# Altium PCB 2-quilter-output.PcbDoc (part 25 of 26) (continued)
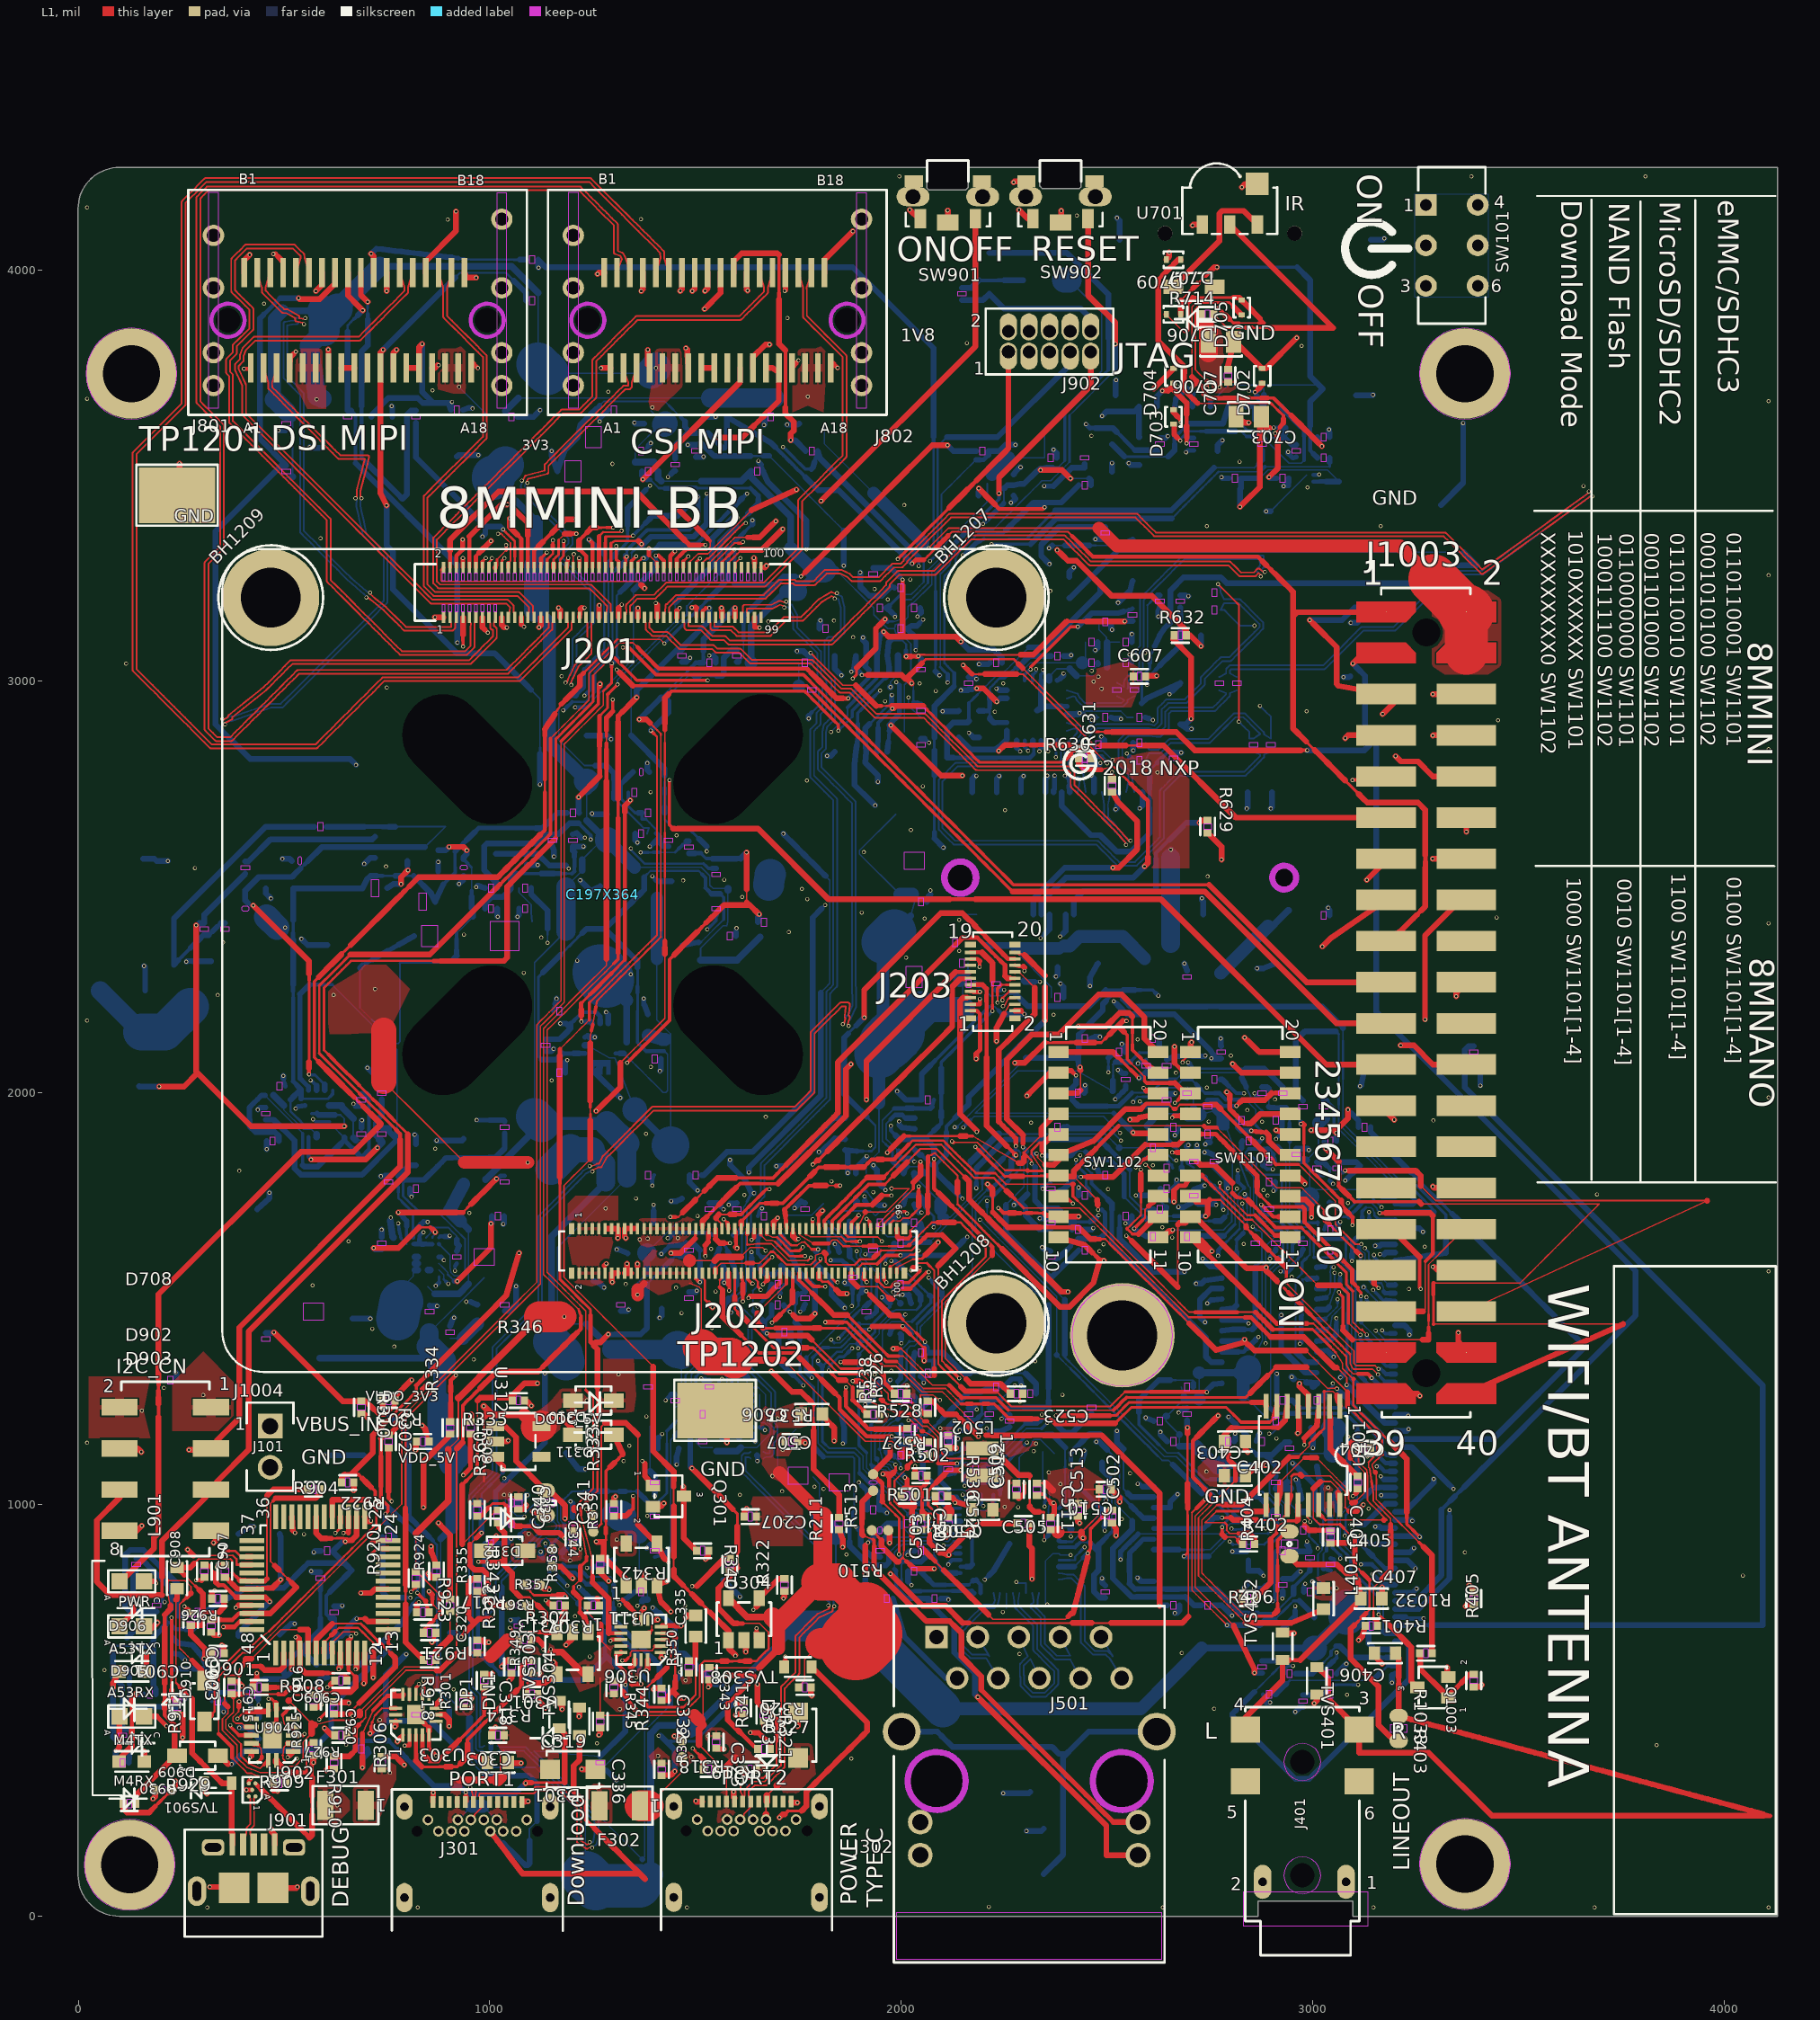
[diagram p0: L1 view]
## Nets (pads, with @x,y where several pads share a name; then routed paths per layer and width w, separated by ;. In a path a pad name is that pad's centre, name@x,y a point inside that pad or via, vN(x,y) a via of type N, cw(c..) or ccw(c..) an arc to the next point about the centre after c; other vN are vias at no path point) (continued)
  L8 w16.55: 850.24,1569.33 855.94,1569.33 ; 867.13,1511.55 925.14,1511.55 948.77,1535.19 ; 929.09,1687.88 948.77,1668.19 ; C327.1@989.89,1789.31 1057.88,1857.3 1125.86,1925.28 ; 1009.07,3493.11 1114.04,3388.14 ; 1038.25,3656.76 1069.87,3688.38 ; 1224.94,2539.93 1224.94,2566.63 ; 1234.88,1437.83 1296.74,1375.98 ; 1235.49,2661.46 C142.1@1279.43,2617.53 ; 1512.72,2322.47 1601.74,2322.47 1657.75,2378.49 ; 1558,1375.49 1625.4,1308.1 ; 1579.02,2491.86 1579.26,2492.1 1579.26,2496.9 ; 1598.43,1234.76 1604.09,1234.76 ; 1598.43,1250.51 1604.09,1250.51
  L8 w31.31: 929.09,1687.88 929.09,1688.14 902.81,1714.42 C327.1@936.88,1778.26 ; 1114.04,3172.8 1145.38,3141.46 1145.38,2994.61 1145.38,2847.76 C157.1@1235.48,2757.63 1235.49,2739.13 ; 1114.04,3280.43 1114.04,3388.14 ; 1125.86,1925.44 1284.88,1925.44 ; C142.1@1272.23,2613.92 C142.1@1285.03,2615.7 ; C142.1@1286.85,2613 1351.93,2547.92 ; 1933.38,3457.24 2052.83,3337.79
  L8 w46.08: 1185.45,2392.8 1185.45,2500.44 ; C142.1@1279.43,2617.53 1283.23,2617.53 C142.1@1285.03,2615.7 C142.1@1286.85,2615.46 ; 1296.74,1375.98 1456.96,1375.98 ; 1333.55,1792.67 1333.55,1876.77 ; 1536.88,3688.38 1692.54,3688.38
  L8 w60.85: 1114.04,3172.8 1114.04,3280.43 ; 1284.88,1925.44 1333.55,1876.77 ; C142.1@1286.85,2613 C142.1@1286.85,2615.46 ; 1457.44,1375.49 1558,1375.49
  L8 w75.61: 1456.96,1375.98 1466.45,1366.48 ; Q101.5@1677.89,2504.88 Q101.5@1681.93,2530.53
  L8 w90.38: 1009.07,3496.1 1038.25,3525.28 ; 1108.96,1942.34 1125.86,1925.44 1125.86,1925.28 ; 1456.96,1375.98 1457.44,1375.49
  L8 w105.14: 1009.07,3493.11 1009.07,3496.1
  other v1: 1148.27,647.85 1687.26,1068.44 1773.48,3691.47
VDDEXT_3V3: C118.1 C119.1 C120.1 C121.1 C122.2 L102.2 R110.1 R602.1 R811.1 U102.2 | length 2330.5
  L6 w17.83: v1(1215.63,3445.17) 1215.63,3429.07 1298.67,3346.03 1314.64,3346.03 1332.56,3328.11 ; 1286.53,3275.98 1395.12,3167.39 ; 1286.53,3280.79 1332.56,3326.82 ; 1411.94,2751.51 1411.94,2884.45 1411.94,3017.39
  L6 w29.68: 1332.56,3326.82 1332.56,3328.11 ; v1(1391.4,2730.97) 1411.94,2751.51 ; 1395.12,3034.21 1395.12,3167.39 ; 1470.6,2618.31 1488.13,2633.85 1488.8,2633.74 1609.02,2633.74 1658.05,2584.72 1783.65,2584.72 v1@1909.25,2584.72
  L6 w83.97: 1286.53,3275.98 1286.53,3280.79
  L6 w111.11: 1395.12,3034.21 1411.94,3017.39
  L8 w3.5: U102.2@1237.48,2115.12 1290.61,2085.27 1292.66,2085.3 1304.41,2084.64 1352.49,1958.66 ; 1406.58,2326.46 1406.58,2176.51 1439.69,2143.4 ; 1426.22,2129.93 1439.69,2143.4 ; 1439.69,1873.26 1439.69,2007.44 1439.69,2143.4
  L8 w16.55: U102.2@1231.24,2115.35 1236.3,2115.35 1236.54,2115.12 U102.2@1237.48,2115.12 ; 1352.49,1958.66 1438.79,1872.37
  L8 w31.31: C120.1@1384.77,2139.7 1419.33,2129.93 1426.22,2129.93 ; 1406.58,2326.46 1406.58,2472.57
  L8 w90.38: 1438.79,1872.37 1439.69,1873.26
  other v1: 1470.16,2515.95 1909.25,2584.71 1453.99,2625.67
VEXT_3V3: C803.1 C806.1 C811.1 C814.1 J801.A13 J801.A14 J802.A13 J802.A14 J1003.1 J1003.17 R811.2 R812.2 | length 4829.1
  L1 w4.85: 2114.32,3353.75 2124.08,3363.51 2139.72,3363.51 2155.35,3363.51 2170.99,3363.51 2186.63,3363.51 2202.27,3363.51 2217.9,3363.51 2233.54,3363.51 2249.18,3363.51 2264.82,3363.51 2280.45,3363.51 2296.09,3363.51 2311.73,3363.51 2327.37,3363.51 2343.01,3363.51 2358.64,3363.51 2374.28,3363.51 2389.92,3363.51 2405.56,3363.51 2415.68,3353.38
  L1 w5.87: 2055.75,3295.18 2065.51,3304.94 2075.27,3314.7 2085.04,3324.47
  L1 w6.9: 2984.39,2853.96 2995.01,2843.33 3005.63,2832.71 ; 3080,2758.35 3090.62,2747.72
  L1 w7.92: 3090.62,2747.72 3101.25,2737.1 3111.87,2726.47
  L1 w9.96: 2415.68,3353.38 2425.8,3343.26 2435.93,3333.14 2446.05,3323.01 2456.18,3312.89 2466.3,3302.76 2481.73,3302.76 2497.16,3302.76 2512.59,3302.76 2528.02,3302.76 2543.45,3302.76 2558.88,3302.76 2574.31,3302.76 2589.74,3302.76 2605.16,3302.76 2620.59,3302.76 2636.02,3302.76 2651.45,3302.76 2666.88,3302.76 2682.31,3302.76 2697.74,3302.76 2713.17,3302.76 2728.6,3302.76 2744.03,3302.76 2759.46,3302.76 2774.89,3302.76 2790.32,3302.76 2805.75,3302.76 2821.18,3302.76 2836.61,3302.76 2852.04,3302.76 2867.46,3302.76 2878.1,3292.13 ; 2888.73,3281.5 2899.36,3270.87 ; 3254.63,2432.97 3264.43,2442.76
  L1 w10.99: v1(2026.69,3285.99) 2035.88,3295.18 2045.82,3295.18 2055.75,3295.18 ; 3274.22,2562.17 3274.22,2577.83
  L1 w12.01: 2085.04,3324.47 2094.8,3334.23 2104.56,3343.99 2114.32,3353.75 ; 2899.36,3270.87 2909.99,3260.24
  L1 w13.03: 1643.65,3622.31 1653.58,3632.24 1663.51,3642.17 ; 1693.3,3671.96 1703.23,3681.89 1703.23,3695.11 1703.23,3708.33 1703.23,3721.55 1703.23,3734.78 1703.23,3748 J802.A14@1703.24,3761.22 J802.A14@1698.72,3753.61 ; 3244.83,2423.17 3254.63,2432.97 ; 3274.22,2546.51 3274.22,2562.17
  L1 w14.05: J801.A13@797.17,3761.22 804.17,3761.22 821.65,3761.22 J801.A14@828.67,3761.22 828.66,3812.28 v1(836.25,3819.87) ; v1(1555.75,3592.52) 1613.86,3592.52 1623.79,3602.45 1633.72,3612.38 1643.65,3622.31 ; 1663.51,3642.17 1673.44,3652.1 1683.37,3662.03 1693.3,3671.96 ; J802.A13@1671.74,3761.22 1687.48,3761.22 J802.A14@1698.72,3753.61 ; 2878.1,3292.13 2888.73,3281.5 ; 2909.99,3260.24 2920.62,3249.61 2931.25,3238.98 2941.88,3228.35 2952.52,3217.71 2952.52,3157.57 ; 2984.39,2853.96 2973.76,2864.58 2963.14,2875.21 2952.52,2885.83 2952.52,3142.79 2952.52,3157.57 ; 3005.63,2832.71 3016.26,2822.09 3026.88,2811.46 3037.5,2800.84 3048.13,2790.22 3058.75,2779.59 3069.38,2768.97 3080,2758.35 ; 3111.87,2726.47 3122.49,2715.85 3133.12,2705.23 3256.44,2705.23 3274.22,2687.44 3274.22,2671.78 3274.22,2656.12 3274.22,2640.47 3274.22,2624.81 3274.22,2609.15 3274.22,2593.49 3274.22,2577.83 ; J1003.1@3179.19,3168.79 3171.03,3167.95 2962.89,3167.95 2952.52,3157.57 ; J1003.17@3179.19,2368.79 3215.44,2393.78 3225.24,2403.58 3235.04,2413.37 3244.83,2423.17 ; 3264.43,2442.76 3274.22,2452.56 3274.22,2468.22 3274.22,2483.88 3274.22,2499.54 3274.22,2515.19 3274.22,2530.85 3274.22,2546.51
  L3 w14.05: v1(908.45,3678.95) 968.24,3619.16 1090.68,3619.16 v1(1150.47,3559.37)
  L8 w3.5: 1277.09,3680.29 1291.98,3680.29 1306.88,3680.29 1321.78,3680.29 1336.68,3680.29 1351.58,3680.29 1366.48,3680.29 1381.38,3680.29 1396.28,3680.29 1411.18,3680.29 1426.08,3680.29
  L8 w3.83: 1267.56,3670.77 1277.09,3680.29 ; 1426.08,3680.29 1435.9,3670.47 ; 1445.73,3660.64 1455.55,3650.82 1465.38,3641
  L8 w6.9: 1435.9,3670.47 1445.73,3660.64
  L8 w8.94: 1694.57,3568.83 1704.97,3558.44 1715.36,3548.04 1725.76,3537.65 1736.15,3527.25 1746.55,3516.86 1756.94,3506.46 1767.34,3496.07
  L8 w9.96: C803.1@905.53,3659.43 908.53,3669.45 v1(908.45,3678.95) ; 1465.38,3641 1475.2,3631.17
  L8 w12.01: 1258.04,3661.25 1267.56,3670.77
  L8 w13.03: 2019.42,3293.25 v1(2026.69,3285.99)
  L8 w14.05: C811.1@712.23,3642.83 712.23,3646.97 753.45,3688.2 825.2,3688.2 836.98,3676.42 841.77,3676.42 862.95,3676.42 ; v1(836.25,3819.87) 836.25,3703.12 862.95,3676.42 ; C803.1@905.53,3659.43 902.53,3669.45 901.83,3676.42 862.96,3676.42 ; v1(1150.47,3559.37) 1150.47,3549.43 R811.2@1164.3,3510.02 1182.31,3561.26 R812.2@1214.07,3593.03 ; R812.2@1214.07,3593.03 1219.95,3623.15 1229.47,3632.68 1238.99,3642.2 1248.52,3651.72 1258.04,3661.25 ; C806.1@1451.13,3541.38 1451.14,3573.9 1473.73,3596.49 1485.03,3607.78 ; 1475.2,3631.17 1475.2,3617.61 1485.03,3607.78 ; v1(1555.75,3592.52) 1542.25,3592.52 1531.35,3603.42 ; 1567.07,3567.22 1571.99,3568.17 1576.24,3572.42 1576.24,3586.5 1576.24,3600.58 1576.24,3614.66 1576.24,3628.74 C814.1@1576.25,3642.83 ; 1567.07,3567.23 1558.14,3576.16 1549.21,3585.09 1540.28,3594.02 1531.35,3602.95 1531.35,3603.42 ; C814.1@1576.25,3642.83 1684.18,3579.23 1694.57,3568.83 ; 1767.34,3496.07 1777.73,3485.67 1788.13,3475.28 1798.52,3464.88 ; 1798.53,3464.88 1847.26,3464.88 1992.37,3319.76 1992.91,3319.76 2012.16,3300.51 2019.42,3293.25 ; 1485.03,3607.78 1489.39,3603.42 1531.35,3603.42
VLDO1_3V3: C317.1 D312.A U302.A5 | length 930
  L1 w14.05: D312.A@986.41,886.97 1016.51,917.07 v1(1016.51,923)
  L3 w14.05: v1(1325.85,1105.07) 1342.51,1121.73 1377.79,1121.73 1422.61,1076.9 1471.96,1076.9 ; v1(1454.58,1096.81) 1454.58,1094.27 1471.96,1076.9 ; v1(1645.9,1152.98) 1626.46,1133.55 1514.29,1133.55 1471.96,1091.21 1471.96,1076.9
  L6 w3.5: 1016.51,962.78 1027.45,973.73 1038.4,984.67 1049.34,995.62 1060.29,1006.56 1071.23,1017.51 1082.18,1028.45 1093.13,1039.4 1104.07,1050.35 1115.02,1061.29 1125.96,1072.24 1136.91,1083.18 1147.85,1094.13 1158.8,1105.07
  L6 w14.05: v1(1016.51,923) 1016.51,962.78 ; 1158.8,1105.07 v1(1325.85,1105.07)
  L8 w9.96: U302.A5@1640.63,1171.76 U302.A5@1641.03,1171.37
  L8 w10.99: 1641.03,1157.86 U302.A5@1641.03,1171.37
  L8 w14.05: v1(1454.58,1096.81) 1454.58,1107.71 1454.58,1116.35 C317.1@1460.13,1136 ; 1641.03,1157.86 v1(1645.9,1152.98)
VLDO2_3V3: C334.1 D313.A U305.A5 | length 560.7
  L6 w8.94: 900.02,1675.35 910.84,1664.53 921.67,1653.7
  L6 w10.99: 889.2,1686.17 900.02,1675.35
  L6 w14.05: v1(848.92,1686.17) 889.2,1686.17 ; 921.67,1653.7 932.49,1642.88 943.31,1632.06 v1(943.31,1492.27)
  L8 w5.87: 777.98,1757.52 777.98,1744.59 786.92,1735.65 ; 777.98,1770.45 777.98,1783.37 777.98,1796.3
  L8 w6.9: 777.98,1757.52 777.98,1770.45 ; 786.92,1735.65 795.86,1726.71 804.8,1717.78 813.74,1708.84 813.74,1693.65 813.74,1678.46 813.74,1663.27
  L8 w7.92: v1(943.31,1492.27) D313.A@953.75,1492.28
  L8 w9.96: 813.74,1663.27 U305.A5@813.73,1648.08 814.17,1648.5 814.17,1661.16
  L8 w12.01: 839.18,1686.17 v1(848.92,1686.17)
  L8 w13.03: 814.17,1661.16 822.5,1669.49 830.84,1677.83
  L8 w14.05: 777.98,1796.3 805.95,1824.27 C334.1@820.75,1824.27 ; 830.84,1677.83 839.18,1686.17 ; D313.A@953.75,1492.28 D313.A@970.06,1484.83
VLDO_3V3: C314.1 C331.1 C337.1 C338.1 C340.1 C344.1 D310.C D312.C D313.C R343.1 R353.1 R354.1 R358.1 U308.A3 U310.A3 U311.5 U312.5 | length 833.5
  L1 w3.5: 986.18,1054.44 986.18,1213.54 ; C344.1@1202.3,934.94 1210.63,936.47 1220.33,907.29 1216.42,872.56
  L1 w16.55: v1(985.63,1238.25) 1000.7,1223.19 1000.7,1217.65 ; 986.18,1213.54 990.29,1217.65 1000.7,1217.65 ; 1083.94,1217.65 1016.82,1217.65 1000.7,1217.65
  L1 w31.31: 1083.94,1217.65 U312.5@1113.76,1187.83
  L1 w75.61: U312.5@1113.76,1187.83 U312.5@1125.69,1190
  L8 w3.5: C331.1@903.71,1403.46 935.02,1403.46 ; 1038.25,1014.77 C337.1@1038.24,1003.18 1037.53,1000.43 1065.96,972 1067.55,972 1078.34,972.26 v1@1085.89,973.91 ; 1085.89,978 1107.89,1000 ; 1176.16,882.9 U310.A3@1176.15,869.52 1179.07,869.53 1185.01,863.59 v1(1195.75,863.59) ; C338.1@1202.3,938.62 1207.53,924.44 ; 1389.65,1079.61 1389.65,1190.65 ; C314.1@1401.36,1067.75 C314.1@1401.38,1067.88
  L8 w16.55: 1176.16,882.9 1207.53,914.27 ; 1389.65,1079.61 C314.1@1401.38,1067.88
  L8 w31.31: 935.02,1403.46 958.38,1426.82 970.06,1438.5 ; 1207.53,914.27 1207.53,924.44
  other v1: 1220.32,891.48 1309.43,914.4 1095.24,927.99 1084.59,969.93 1035.19,1022.68 1049.11,1023.56 1381.13,1213.69 1236.22,1252.24 961.08,1351.82
VPCIE_3V3: C617.1 C618.1 C620.1 C621.1 C622.1 C623.1 C624.1 C625.1 J601.2 J601.4 J601.72 J601.74 R601.2 R602.2 R626.1 R627.1 | length 1370.4
  L8 w3.5: 2125.19,2441.33 2133.23,2433.29 J601.74@2183.3,2433.28 ; 2276.39,2345.49 2365.33,2256.55 2365.33,2241.69 C621.1@2365.33,2231.7 ; R627.1@2464.86,2845.94 2464.86,2842.46 2476.69,2830.63 2491.42,2830.63 2498.77,2823.29 2499.04,2823.29 v1(2513.55,2808.78) ; 2815.2,2317.07 2877.14,2379.01
  L8 w16.55: 2207.52,2358.3 2375.18,2358.3 C618.1@2380.09,2356.9 ; C618.1@2382.44,2350.91 C618.1@2380.09,2356.9 ; C618.1@2396.57,2356.91 C618.1@2380.09,2356.9 ; 2655.37,2571.02 v1(2655.37,2590.64) ; 2877.14,2379.01 2941.43,2443.3
  L8 w31.31: 2281.81,2350.91 C618.1@2382.44,2350.91 ; C618.1@2396.57,2356.91 2409.77,2356.91 2432.67,2379.81 2538.68,2379.81 C625.1@2592.01,2326.47 ; C624.1@2777.05,2290.6 J601.2@2891.94,2405.5
  L8 w46.08: 2655.37,2362.78 2655.37,2466.9 2655.37,2571.02
  other v1: 2622.84,2778.27
VSD_3V3: C702.1 C703.1 C704.1 J701.4 TVS702.2 U702.A2 | length 1348.8
  L1 w7.92: 2895.86,3615.17 2904.45,3615.17 v1(2906.05,3616.77)
  L1 w14.05: v1(2823.63,3423.79) 2835.7,3435.86 2871.91,3472.07 2871.91,3616.54 2875.61,3643.05 2887.27,3615.17 2895.86,3615.17
  L8 w3.5: 2872.17,3493.43 2882.26,3503.52 2892.36,3513.62 2906.78,3513.62 2921.2,3513.62 2935.62,3513.62 2950.04,3513.62 2964.46,3513.62 2978.88,3513.62 2993.3,3513.62 3007.72,3513.62 3022.15,3513.62 3036.57,3513.62 3045.92,3504.27 3055.27,3494.92 3064.62,3485.57 ; 2886.85,3609.34 2895.97,3600.22 2905.09,3591.1
  L8 w3.83: 2856.83,3609.36 2871.84,3609.36 2886.84,3609.36 ; 2906.99,3591.1 2920.57,3591.1
  L8 w4.85: 2603.92,3545.82 2619.11,3545.82 2634.31,3545.82 2649.51,3545.82 ; 2905.09,3591.1 2906.99,3591.1 2914.54,3583.55
  L8 w5.87: 2543.13,3545.82 2558.33,3545.82 2573.52,3545.82 2588.72,3545.82 2603.92,3545.82
  L8 w6.9: 2809.59,3641.6 2820.33,3630.86 2831.08,3620.11 2841.83,3609.36 2856.83,3609.36
  L8 w7.92: 2665.37,3592.79 2675.11,3602.53 2685.5,3612.92 2692.25,3619.67
  L8 w8.94: 2692.25,3619.67 2699,3626.42 ; v1(2906.05,3616.77) 2920.43,3616.77
  L8 w9.96: 2664.71,3576.7 2664.71,3592.14 ; U702.A2@3001.74,3485.56 3017.46,3485.56
  L8 w10.99: 2664.71,3592.14 2665.36,3592.79 ; 3017.46,3485.56 3033.17,3485.56
  L8 w12.01: 2866.1,3493.43 2872.17,3493.43
  L8 w13.03: 2542.77,3546.18 2543.13,3545.82 ; 2664.71,3561.26 2664.71,3576.7 ; 2920.57,3591.1 2933.56,3591.1
  L8 w14.05: TVS702.2@2512.58,3576.35 2542.76,3546.18 ; 2649.51,3545.82 2664.71,3561.01 2664.71,3561.26 ; 2699,3626.42 2782.42,3626.42 J701.4@2795.12,3667.38 2798.84,3652.35 2809.59,3641.6 ; v1(2823.63,3423.79) 2823.63,3442.83 2823.63,3466.86 2826.16,3469.39 2826.16,3493.43 2866.1,3493.43 ; 2914.55,3583.55 2934.82,3603.81 2934.82,3616.77 2920.43,3616.77 ; 2933.56,3591.1 2950.08,3574.59 C704.1@2960.69,3574.59 ; 3033.17,3485.56 3048.89,3485.56 3064.61,3485.56
WOL_INT: J202.46 U501.40 | length 1048.1
  L1 w3.5: 1559.23,1527.54 1559.23,1536.36 1559.23,1545.18
  L1 w5.87: 1559.23,1545.18 J202.46@1564.27,1550.22
  L1 w6.9: J202.46@1564.27,1550.22 J202.46@1564.26,1561.94
  L1 w7.92: 1610.39,1411.7 1621.48,1400.61 1632.45,1389.65 1643.41,1378.68 1654.37,1367.72 1668.89,1367.72 1683.42,1367.72 1697.94,1367.72 1712.47,1367.72 1726.99,1367.72 1741.51,1367.72 1752.42,1356.82 ; 1785.13,1324.1 1796.04,1313.2
  L1 w9.96: 1559.23,1527.54 1565.99,1520.78 ; 1796.04,1313.2 1806.94,1302.29 ; 1839.66,1269.58 1850.56,1258.67 1850.56,1244.76 1850.56,1230.85 1861.58,1219.84 1872.59,1208.83 1883.6,1197.81 1894.61,1186.8 1905.62,1175.79 1916.64,1164.78 1931.88,1164.78
  L1 w10.99: 1931.88,1164.78 1947.13,1164.78 1962.38,1164.78 v1(1977.63,1164.77)
  L1 w13.03: 1565.99,1507.75 1565.99,1520.78
  L1 w14.05: 1565.99,1507.75 1565.99,1494.72 1565.99,1481.69 1565.99,1468.66 1565.99,1456.09 1577.1,1444.99 1588.2,1433.9 1599.29,1422.8 1610.39,1411.7 ; 1752.42,1356.82 1763.32,1345.91 1774.23,1335.01 1785.13,1324.1 ; 1806.94,1302.29 1817.85,1291.39 1828.75,1280.48 1839.66,1269.58
  L8 w3.5: 2183.46,985.04 2196.18,985.04 2208.9,985.04 2209.89,985.04
  L8 w3.83: 2025.18,1143.27 2038.2,1143.27 2051.23,1143.27 ; 2159.51,1003.78 2171.22,997.27 ; 2209.89,985.04 2217.29,992.43
  L8 w5.87: 2171.22,997.27 2177.34,991.15
  L8 w7.92: v1(1977.63,1164.77) 1988.61,1153.8 ; 2134.95,1018.63 2142.65,1010.93 2149.79,1003.78 ; 2177.34,991.15 2183.46,985.04
  L8 w8.94: 2149.79,1003.78 2159.51,1003.78
  L8 w9.96: U501.40@2224.68,1011.57 U501.40@2224.68,1023.3
  L8 w10.99: 1988.61,1153.8 1999.13,1143.27 ; 2012.16,1143.27 2025.18,1143.27 ; 2122.39,1018.63 2134.95,1018.63
  L8 w12.01: 2079.06,1049.4 2087.92,1040.53 2098.88,1029.58 2109.83,1018.63 2122.39,1018.63
  L8 w13.03: 2070.19,1058.26 2079.06,1049.4
  L8 w14.05: 1999.13,1143.27 2012.16,1143.27 ; 2051.23,1143.27 2052.47,1142.04 2052.47,1075.99 2061.33,1067.13 2070.19,1058.26 ; 2217.29,992.43 2224.68,999.83 U501.40@2224.68,1011.57
pads on no net: C197X364. J202. J203. J301. J301.A2 J301.A3 J301.A8 J301.A10 J301.A11 J301.B2 J301.B3 J301.B8 J301.B10 J301.B11 J302. J302.A2 J302.A3 J302.A8 J302.A10 J302.A11 J302.B2 J302.B3 J302.B8 J302.B10 J302.B11 J401. J401.5 J401.6 J501. J601. J601.6 J601.16 J601.38 J601.40 J601.42 J601.44 J601.46 J601.48 J601.59 J601.61 J601.62 J601.64 J601.65 J601.66 J601.67 J601.68 J601.70 J601.71 J601.73 J701. J801. J801.A10 J802. J802.A10 J901.4 J1001. J1003. J1003.18 J1003.22 J1003.26 J1003.27 J1003.28 J1003.29 SW101.1 SW101.4 U101.4 U202.14 U202.15 U203.6 U203.9 U308.D1 U308.D2 U310.D1 U310.D2 U312.4 U501.42 U501.43 U501.45 U501.46 U901.1 U901.15 U901.16 U901.17 U901.19 U901.20 U901.21 U901.22 U901.30 U901.32 U901.33 U901.35 U901.36 U901.37 U901.38 U901.48 U904.6 U904.9

## Polygon pours and split planes (outlines as drawn)
ENET_AVDD33 on L3 "POUR_0" (solid, pour order 0): 2081.66,962.7 2084.42,991.38 2087.66,994.62 2093.97,1000.93 2099.8,1005.84 2145.8,994.43 2223.47,889.23 2290.75,821.96 2301.24,811.47 2280.25,790.48 2202.48,868.24 2084.42,958.55
ENET_DVDDL_1V1 on L3 "POUR_11" (solid, pour order 11): 2292.48,1015.32 2299.63,1008.17 2314.92,992.88 2284.34,962.29 2229.71,972.07 2229.71,1015.32
ENET_DVDDL_1V1 on L3 "POUR_12" (solid, pour order 12): 2351.88,1266.11 2392.07,1306.29 2493.15,1248.99 2493.15,1207 2493.15,1165.02 2374.25,1109.09 2322.24,1116.23 2309.63,1128.84
NetC106_1 on L3 "POUR_17" (solid, pour order 17): 303.01,2414.01 400.55,2414.01 400.55,2230.1 373.24,2202.79 338.76,2168.3 269.79,2237.28
NetC106_1 on L3 "POUR_18" (solid, pour order 18): 472.83,2431.24 920.67,2489.73 981.78,2428.62 1025.86,2384.53 937.7,2296.37 502.51,2371.88 472.83,2371.88
SYS_5V on L3 "POUR_24" (solid, pour order 24): 1122.34,2403.96 1143.81,2403.96 1158.65,2403.96 1217.99,2327.54 1224.3,2321.24 1211.69,2308.63 1125.17,2364.49 1112.56,2377.1
SYS_5V on L3 "POUR_25" (solid, pour order 25): 1226.25,1663.41 1226.25,1774.52 1331.17,1774.52 1386.72,1774.52 1386.72,1663.41 1281.81,1663.41
SYS_5V on L3 "POUR_26" (solid, pour order 26): 17 vertices, not listed, extent 1311.93,2257.65 1656.84,2516.11
SYS_5V on L3 "POUR_27" (solid, pour order 27): 1373.64,2062.81 1373.64,2080.64 1409.31,2080.64 1412.46,1911.66 1409.31,1893.83 1390.54,1889.73 1380.04,1879.24 1359.05,1900.23
USB1_OTG_VBUS on L3 "POUR_39" (solid, pour order 39): 40 vertices, not listed, extent 717.24,208.33 947.4,387.9
USB1_OTG_VBUS on L3 "POUR_40" (solid, pour order 40): 955.68,519.93 1033.91,486.71 1033.91,468.88 981.51,468.88 949.37,501.01 943.07,507.32
USB1_VBUS_IN on L3 "POUR_47" (solid, pour order 47): 1789.34,1140.25 1867.51,1093.19 1891.96,1037.63 1867.51,982.07 1794.2,939.87 1608.03,900.75 1485.69,1023.1 1580.54,1117.95
USB2_OTG_VBUS on L3 "POUR_56" (solid, pour order 56): 1508.83,458.17 1552.09,458.17 1570.64,387.87 1552.09,366.25 1528.4,345.63 1481.39,376.89 1481.39,394.73
USB2_OTG_VBUS on L3 "POUR_57" (solid, pour order 57): 1638.45,381.88 1692.02,381.88 1720.43,381.88 1716.29,335.81 1716.66,334.76 1720.43,325.06 1666.87,325.06 1638.45,325.06
VDD_1V8_U601_2 on L3 "POUR_94" (solid, pour order 94): 1988.7,2421.9 1983.72,2457.1 1988.7,2638.6 1988.7,2673.8 2059.1,2673.8 2097.64,2423.54 2057.45,2383.36
VDD_1V8_U601_2 on L3 "POUR_95" (solid, pour order 95): 2193.26,2920.48 2273.06,2993.15 2490.94,3073.03 2531.89,3032.08 2569.49,2987.49 2536.51,2916.83 2470.34,2875.8 2390.41,2845.62 2063.37,2736.22 2052.75,2736.22 2043.83,2736.22 2043.83,2754.05 2127.78,2825.86
ENET_AVDD33 on L8 "POUR_1" (solid, pour order 1): 61 vertices, not listed, extent 2275.29,753.46 2319.15,816.42
ENET_AVDD33 on L8 "POUR_2" (solid, pour order 2): 27 vertices, not listed, extent 1897.49,1306.52 1948.9,1380.02
ENET_AVDDL_1V1 on L8 "POUR_7" (solid, pour order 7): 66 vertices, not listed, extent 2334.93,751.11 2417.16,895.82
ENET_AVDDL_1V1 on L8 "POUR_8" (solid, pour order 8): 49 vertices, not listed, extent 2271.94,992.64 2398.21,1159.63
ENET_AVDDL_1V1 on L8 "POUR_9" (solid, pour order 9): 40 vertices, not listed, extent 2239.12,730.2 2271.91,814.78
ENET_DVDDL_1V1 on L8 "POUR_13" (solid, pour order 13): 53 vertices, not listed, extent 2279.38,987.92 2350.65,1137.12
ENET_DVDDL_1V1 on L8 "POUR_14" (solid, pour order 14): 23 vertices, not listed, extent 2369.03,1229.66 2484.74,1289.15
ENET_LX on L8 "POUR_16" (solid, pour order 16): 57 vertices, not listed, extent 2323.07,943.1 2414.3,1152.6
NetC106_1 on L8 "POUR_19" (solid, pour order 19): 24 vertices, not listed, extent 213.55,1936.67 511.44,2317.85
NetC106_1 on L8 "POUR_20" (solid, pour order 20): 32 vertices, not listed, extent 334.58,2339.93 440.15,2451.73
NetC106_1 on L8 "POUR_21" (solid, pour order 21): 54 vertices, not listed, extent 926,2334.35 1008.21,2427.86
NetC106_1 on L8 "POUR_22" (solid, pour order 22): 35 vertices, not listed, extent 14.52,2185.6 219.93,2512.28
SYS_5V on L8 "POUR_28" (solid, pour order 28): 49 vertices, not listed, extent 1064.54,2334.35 1132.97,2469.23
SYS_5V on L8 "POUR_29" (solid, pour order 29): 32 vertices, not listed, extent 1163.18,2176.36 1370.74,2395.12
SYS_5V on L8 "POUR_30" (solid, pour order 30): 23 vertices, not listed, extent 1283.68,1645.86 1406.95,1911.93
SYS_5V on L8 "POUR_31" (solid, pour order 31): 41 vertices, not listed, extent 1248.95,2057.85 1407.31,2132.05
SYS_5V on L8 "POUR_32" (solid, pour order 32): 26 vertices, not listed, extent 1711.31,2292.89 1777.79,2406.23
SYS_5V on L8 "POUR_33" (solid, pour order 33): 37 vertices, not listed, extent 1576.99,2473.43 1633.89,2562.82
USB1_OTG_VBUS_F on L8 "POUR_45" (solid, pour order 45): 27 vertices, not listed, extent 874.5,528.14 934.63,623.66
USB1_OTG_VBUS_F on L8 "POUR_46" (solid, pour order 46): 79 vertices, not listed, extent 1576.73,1186.59 1657.3,1282.91
USB1_VBUS_IN on L8 "POUR_48" (solid, pour order 48): 41 vertices, not listed, extent 1495.78,942.37 1631.07,1240.71
USB1_VBUS_IN on L8 "POUR_49" (solid, pour order 49): 37 vertices, not listed, extent 1609.12,1135.84 1682.63,1282.91
USB1_VBUS_IN on L8 "POUR_50" (solid, pour order 50): 46 vertices, not listed, extent 1688.61,1002.27 1791.47,1060.91
USB1_VBUS_IN on L8 "POUR_51" (solid, pour order 51): 61 vertices, not listed, extent 1806.99,985.67 1891,1044.31
USB2_OTG_VBUS_F on L8 "POUR_60" (solid, pour order 60): 37 vertices, not listed, extent 729.53,1369.13 875.65,1519.13
USB2_OTG_VBUS_F on L8 "POUR_61" (solid, pour order 61): 20 vertices, not listed, extent 1185.35,608.13 1281.27,749.97
USB2_OTG_VBUS_F on L8 "POUR_62" (solid, pour order 62): 77 vertices, not listed, extent 797.07,1552.68 877.64,1633.25
USB2_VBUS_IN on L8 "POUR_64" (solid, pour order 64): 52 vertices, not listed, extent 938.8,1609.52 1058.12,1789.4
USB2_VBUS_IN on L8 "POUR_65" (solid, pour order 65): 31 vertices, not listed, extent 560.95,1575.22 782.13,1789.4
USB2_VBUS_IN on L8 "POUR_66" (solid, pour order 66): 56 vertices, not listed, extent 763.66,1536.94 814.65,1650.91
USB2_VBUS_IN on L8 "POUR_67" (solid, pour order 67): 32 vertices, not listed, extent 515.97,1476.46 625.39,1585.89
VBUS_EXT on L8 "POUR_68" (solid, pour order 68): 42 vertices, not listed, extent 2955.57,1930.61 3068.51,2149.99
VBUS_IN on L8 "POUR_70" (solid, pour order 70): 32 vertices, not listed, extent 555.91,1947.24 658.93,2259.78
VBUS_IN on L8 "POUR_71" (solid, pour order 71): 50 vertices, not listed, extent 691.35,2221.71 921.26,2498.36
VBUS_IN on L8 "POUR_72" (solid, pour order 72): 37 vertices, not listed, extent 381.47,1135.84 671.32,1459.34
VBUS_IN on L8 "POUR_73" (solid, pour order 73): 948.37,1576.71 950.47,1580.05 1032.01,1750.96 1083.21,1842.05 1173.58,1842.05 1173.58,1764.72 1111.57,1547.18 854.25,1415.55 853.01,1414.31 850.53,1416.79 947.23,1574.35
VBUS_IN on L8 "POUR_74" (solid, pour order 74): 67 vertices, not listed, extent 1707.98,1058.27 1891,1136.91
VDDEXT_3V3 on L8 "POUR_76" (solid, pour order 76): 36 vertices, not listed, extent 1378.83,2607.59 1462.26,2701.65
VDDEXT_3V3 on L8 "POUR_77" (solid, pour order 77): 17 vertices, not listed, extent 1345.65,2698.83 1423.98,2763.55
VDDEXT_3V3 on L8 "POUR_78" (solid, pour order 78): 37 vertices, not listed, extent 1394.78,2401.76 1572.37,2542.13
VDDEXT_3V3 on L8 "POUR_79" (solid, pour order 79): 48 vertices, not listed, extent 1205.82,3435.36 1269.62,3551.76
VDDEXT_3V3 on L8 "POUR_80" (solid, pour order 80): 39 vertices, not listed, extent 1904.29,2541.69 2073.47,2644.76
VDD_1V8 on L8 "POUR_84" (solid, pour order 84): 24 vertices, not listed, extent 545.97,3581.85 676.58,3724.26
VDD_1V8 on L8 "POUR_85" (solid, pour order 85): 34 vertices, not listed, extent 1295.89,3637.73 1399.97,3681.14
VDD_1V8 on L8 "POUR_86" (solid, pour order 86): 40 vertices, not listed, extent 1963.09,2651.74 2251.3,3532.85
VDD_1V8 on L8 "POUR_87" (solid, pour order 87): 44 vertices, not listed, extent 2802.45,915.07 2983.22,1112.03
VDD_1V8 on L8 "POUR_88" (solid, pour order 88): 27 vertices, not listed, extent 1172.88,1447.83 1346.46,1525.48
VDD_1V8 on L8 "POUR_89" (solid, pour order 89): 40 vertices, not listed, extent 1910.49,1611.5 2037.67,1714.27
VDD_1V8 on L8 "POUR_90" (solid, pour order 90): 26 vertices, not listed, extent 1659.22,1608.86 1721.58,1722.16
VDD_1V8 on L8 "POUR_91" (solid, pour order 91): 44 vertices, not listed, extent 1439.51,1632.93 1622.13,1723
VDD_1V8 on L8 "POUR_92" (solid, pour order 92): 37 vertices, not listed, extent 1808.82,1666.13 1935.31,1825.76
VDD_1V8_U601_2 on L8 "POUR_96" (solid, pour order 96): 53 vertices, not listed, extent 2223.12,2901.78 2284.62,2936.26
VDD_1V8_U601_2 on L8 "POUR_97" (solid, pour order 97): 45 vertices, not listed, extent 2342.47,2821.89 2376.95,2883.29
VDD_1V8_U601_2 on L8 "POUR_98" (solid, pour order 98): 43 vertices, not listed, extent 2375.74,2901.78 2449.25,2936.26
VDD_1V8_U601_2 on L8 "POUR_99" (solid, pour order 99): 27 vertices, not listed, extent 2447.31,2978.53 2551.92,3066.88
VDD_1V8_U601_2 on L8 "POUR_100" (solid, pour order 100): 29 vertices, not listed, extent 2455.09,2890.66 2502.15,2934.07
VDD_1V8_U601_2 on L8 "POUR_101" (solid, pour order 101): 2015.32,2699.05 2026.19,2764.66 2072.27,2764.66 2072.27,2706.85 2066.43,2663.44 2066.14,2660.84 2063.77,2633.2 2023.9,2617.27 2001.76,2639.41 2015.02,2696.44
VDD_1V8_U601_2 on L8 "POUR_102" (solid, pour order 102): 29 vertices, not listed, extent 2031.61,2369.51 2083.02,2445.68
VDD_3V3 on L8 "POUR_122" (solid, pour order 122): 39 vertices, not listed, extent 2971.58,1230.5 3048.99,1313.78
VDD_3V3 on L8 "POUR_123" (solid, pour order 123): 28 vertices, not listed, extent 1496.79,1681.59 1555.78,1723
VDD_3V3 on L8 "POUR_124" (solid, pour order 124): 23 vertices, not listed, extent 2417.89,3537.28 2475.14,3608.82
VDD_3V3 on L8 "POUR_125" (solid, pour order 125): 28 vertices, not listed, extent 2871.8,1130.89 2923.9,1174.3
VDD_3V3 on L8 "POUR_126" (solid, pour order 126): 24 vertices, not listed, extent 3037.68,516.64 3099.7,560.05
VDD_3V3 on L8 "POUR_127" (solid, pour order 127): 29 vertices, not listed, extent 2125.31,2336.76 2166.72,2386.22
VDD_3V3 on L8 "POUR_128" (solid, pour order 128): 39 vertices, not listed, extent 2013.13,2893.5 2070.02,2966.04
VDD_3V3 on L8 "POUR_129" (solid, pour order 129): 27 vertices, not listed, extent 1910.49,3215.04 1957.71,3266.94
VDD_3V3 on L8 "POUR_130" (solid, pour order 130): 37 vertices, not listed, extent 1992.61,3206.09 2034.02,3252.56
VDD_3V3 on L8 "POUR_131" (solid, pour order 131): 31 vertices, not listed, extent 2026.61,2983.4 2070.02,3034.52
VDD_3V3 on L8 "POUR_132" (solid, pour order 132): 29 vertices, not listed, extent 1133.66,2021.66 1175.07,2070.79
VDD_3V3 on L8 "POUR_133" (solid, pour order 133): 29 vertices, not listed, extent 2754.91,1127.97 2800.75,1174.3
VDD_3V3 on L8 "POUR_134" (solid, pour order 134): 19 vertices, not listed, extent 1434.05,1432.21 1507.33,1507.18
VDD_3V3 on L8 "POUR_135" (solid, pour order 135): 30 vertices, not listed, extent 1528.95,2495.06 1581.96,2536.47
VDD_3V3 on L8 "POUR_136" (solid, pour order 136): 28 vertices, not listed, extent 2650.58,1628.94 2701.22,1672.35
VDD_3V3 on L8 "POUR_137" (solid, pour order 137): 28 vertices, not listed, extent 2822.03,1911.17 2863.44,1966.1
VDD_3V3 on L8 "POUR_138" (solid, pour order 138): 31 vertices, not listed, extent 2858.87,1757.99 2900.28,1805.16
VDD_3V3 on L8 "POUR_139" (solid, pour order 139): 37 vertices, not listed, extent 2827.63,1598.58 2882.86,1639.99
VDD_3V3 on L8 "POUR_140" (solid, pour order 140): 37 vertices, not listed, extent 2872.63,1711.11 2916.04,1755.24
VDD_3V3 on L8 "POUR_141" (solid, pour order 141): 31 vertices, not listed, extent 2440.5,1595.74 2494.32,1639.15

## Text inside footprints (layer, text, board x,y; h text height)
U201: Board Layer Stack Bottom Overlay "13" at 2747.05,1619.83 h25 r180; Board Layer Stack Bottom Overlay "12" at 2992.05,1619.83 h25 r180; Board Layer Stack Bottom Overlay "1" at 3001.01,1280.32 h25 r180; Top Assembly "1" at 3011.58,1312.13 h25 r180; Top Assembly "12" at 2993.48,1580.25 h25 r180; Top Assembly "13" at 2759.62,1583.04 h25 r180; Top Assembly "24" at 2755.87,1310.14 h25 r180; Top Pin Number "22" at 2769.2,1350.3 h10 r180; Top Pin Number "23" at 2769.2,1324.71 h10 r180; Top Pin Number "24" at 2768.36,1299.12 h10 r180; Top Pin Number "2" at 3015.12,1324.71 h10 r180; Top Pin Number "1" at 3022.61,1299.12 h10 r180; Top Pin Number "7" at 3015.12,1452.67 h10 r180; Top Pin Number "8" at 3015.12,1478.26 h10 r180; Top Pin Number "9" at 3015.95,1503.85 h10 r180; Top Pin Number "10" at 3002.45,1529.44 h10 r180; Top Pin Number "11" at 3009.94,1555.03 h10 r180; Top Pin Number "13" at 2771.95,1580.62 h10 r180; Top Pin Number "14" at 2771.11,1555.03 h10 r180; Top Pin Number "6" at 3015.95,1427.07 h10 r180; Top Pin Number "15" at 2771.95,1529.44 h10 r180; Top Pin Number "16" at 2772.78,1503.85 h10 r180; Top Pin Number "17" at 2771.95,1478.26 h10 r180; Top Pin Number "18" at 2771.95,1452.67 h10 r180; Top Pin Number "20" at 2769.2,1401.48 h10 r180; Top Pin Number "19" at 2772.78,1427.07 h10 r180; Top Pin Number "5" at 3015.12,1401.48 h10 r180; Top Pin Number "3" at 3015.12,1350.3 h10 r180; Top Pin Number "4" at 3014.28,1375.89 h10 r180; Top Pin Number "21" at 2776.7,1375.89 h10 r180; Top Pin Number "12" at 3002.45,1580.62 h10 r180
U202: Board Layer Stack Bottom Overlay "13" at 2870.19,778.38 h20; Board Layer Stack Bottom Overlay "1" at 2617.32,1111.29 h20; Top Assembly "1" at 2600.6,1079.65 h25; Top Assembly "12" at 2631.3,806.33 h25; Top Assembly "13" at 2862.91,806.33 h25; Top Assembly "24" at 2861.31,1075.82 h25; Top Pin Number "13" at 2849.09,808.84 h10; Top Pin Number "12" at 2619.17,808.84 h10; Top Pin Number "11" at 2611.67,834.43 h10; Top Pin Number "22" at 2851.84,1039.15 h10; Top Pin Number "9" at 2605.35,885.61 h10; Top Pin Number "10" at 2619.17,860.02 h10; Top Pin Number "19" at 2848.26,962.38 h10; Top Pin Number "8" at 2606.18,911.2 h10; Top Pin Number "20" at 2851.84,987.97 h10; Top Pin Number "18" at 2849.09,936.79 h10; Top Pin Number "21" at 2844.34,1013.56 h10; Top Pin Number "24" at 2852.67,1090.33 h10; Top Pin Number "23" at 2851.84,1064.74 h10; Top Pin Number "1" at 2598.68,1090.33 h10; Top Pin Number "3" at 2606.18,1039.15 h10; Top Pin Number "17" at 2849.09,911.2 h10; Top Pin Number "16" at 2848.26,885.61 h10; Top Pin Number "6" at 2605.35,962.38 h10; Top Pin Number "2" at 2606.18,1064.74 h10; Top Pin Number "15" at 2849.09,860.02 h10; Top Pin Number "14" at 2849.92,834.43 h10; Top Pin Number "5" at 2606.18,987.97 h10; Top Pin Number "4" at 2607.01,1013.56 h10; Top Pin Number "7" at 2606.18,936.79 h10
U203: Board Layer Stack Bottom Overlay "14" at 1820.63,3104.34 h31 r90; Board Layer Stack Bottom Overlay "8" at 2057.16,3081.82 h31 r90; Board Layer Stack Bottom Overlay "7" at 2060.61,2849.18 h31 r90; Board Layer Stack Bottom Overlay "1" at 1823.99,2844.76 h31 r90; Top Assembly "1" at 1825.44,2833.67 h25 r90; Top Assembly "14" at 1835.44,3109.9 h25 r90; Top Assembly "8" at 2057.45,3086.38 h25 r90; Top Assembly "7" at 2057.45,2844.38 h25 r90; Top Pin Number "6" at 1978.74,2823.52 h20 r90; Top Pin Number "9" at 1978.74,3061.51 h20 r90; Top Pin Number "7" at 2004.34,2824.59 h20 r90; Top Pin Number "3" at 1901.95,2824.59 h20 r90; Top Pin Number "2" at 1876.35,2824.59 h20 r90; Top Pin Number "4" at 1927.54,2825.66 h20 r90; Top Pin Number "5" at 1953.14,2824.59 h20 r90; Top Pin Number "11" at 1927.7,3069.44 h20 r90; Top Pin Number "10" at 1953.3,3079.08 h20 r90; Top Pin Number "14" at 1850.9,3080.15 h20 r90; Top Pin Number "1" at 1850.75,2814.95 h20 r90; Top Pin Number "13" at 1876.51,3079.08 h20 r90; Top Pin Number "12" at 1902.11,3079.08 h20 r90; Top Pin Number "8" at 2004.34,3062.59 h20 r90
U204: Board Layer Stack Bottom Overlay "1" at 2326.02,3450.85 h30 r90; Board Layer Stack Bottom Overlay "3" at 2335.79,3516.61 h30 r90; Board Layer Stack Bottom Overlay "4" at 2147.79,3506.04 h30 r90; Board Layer Stack Bottom Overlay "5" at 2150.79,3458.61 h30 r90; Top Assembly "1" at 2317.29,3453.64 h15 r90; Top Assembly "3" at 2320.81,3514.1 h15 r90; Top Assembly "4" at 2169.37,3513.98 h15 r90; Top Assembly "5" at 2168.81,3462.04 h15 r90; Top Pin Number "1" at 2273.29,3450.98 h20 r90; Top Pin Number "3" at 2273.29,3510.75 h20 r90; Top Pin Number "4" at 2188.29,3511.7 h20 r90; Top Pin Number "5" at 2188.29,3459.55 h20 r90; Top Pin Number "2" at 2273.29,3485.15 h20 r90
U301: Top Overlay "1" at 1275.87,723.13 h30 r180; Top Assembly "1" at 1283.5,688.13 h15 r180; Top Pin Number "5" at 1242.58,591.64 h10 r180; Top Pin Number "1" at 1244.72,693.64 h10 r180; Top Pin Number "2" at 1205.08,693.64 h10 r180; Top Pin Number "3" at 1167.58,693.64 h10 r180; Top Pin Number "4" at 1167.34,591.64 h10 r180
U302: Board Layer Stack Bottom Overlay "A" at 1675.78,1178 h20 r180; Board Layer Stack Bottom Overlay "G" at 1675.73,1277 h20 r180; Board Layer Stack Bottom Overlay "1" at 1645.25,1147.67 h20 r180; Board Layer Stack Bottom Overlay "6" at 1561.97,1146.68 h20 r180; Top Assembly "A" at 1684.33,1171.76 h15 r180; Top Assembly "G" at 1685.04,1274.12 h15 r180; Top Assembly "1" at 1660.68,1148.13 h15 r180; Top Assembly "6" at 1568.36,1148.13 h15 r180; Top Pin Number "D6" at 1574.12,1220.63 h5 r180; Top Pin Number "C6" at 1573.34,1204.88 h5 r180; Top Pin Number "E6" at 1574.91,1236.38 h5 r180; Top Pin Number "F6" at 1575.3,1252.13 h5 r180; Top Pin Number "G6" at 1573.73,1267.87 h5 r180; Top Pin Number "A5" at 1588.73,1173.39 h5 r180; Top Pin Number "A3" at 1620.22,1173.39 h5 r180; Top Pin Number "A6" at 1573.34,1173.39 h5 r180; Top Pin Number "A2" at 1635.97,1173.39 h5 r180; Top Pin Number "E1" at 1656.5,1236.38 h5 r180; Top Pin Number "F1" at 1656.9,1252.13 h5 r180; Top Pin Number "B1" at 1655.72,1189.13 h5 r180; Top Pin Number "C1" at 1654.93,1204.88 h5 r180; Top Pin Number "D1" at 1655.72,1220.63 h5 r180; Top Pin Number "D5" at 1589.52,1220.63 h5 r180; Top Pin Number "D4" at 1604.91,1220.63 h5 r180; Top Pin Number "C5" at 1588.73,1204.88 h5 r180; Top Pin Number "C4" at 1604.12,1204.88 h5 r180; Top Pin Number "E4" at 1605.69,1236.38 h5 r180; Top Pin Number "E5" at 1590.3,1236.38 h5 r180; Top Pin Number "F4" at 1606.09,1252.13 h5 r180; Top Pin Number "F5" at 1590.69,1252.13 h5 r180; Top Pin Number "G4" at 1604.52,1267.87 h5 r180; Top Pin Number "G5" at 1589.12,1267.87 h5 r180; Top Pin Number "C2" at 1635.97,1204.88 h5 r180; Top Pin Number "C3" at 1620.22,1204.88 h5 r180; Top Pin Number "B6" at 1574.12,1189.13 h5 r180; Top Pin Number "B3" at 1621.01,1189.13 h5 r180; Top Pin Number "B2" at 1636.76,1189.13 h5 r180; Top Pin Number "A4" at 1604.12,1173.39 h5 r180; Top Pin Number "B4" at 1604.91,1189.13 h5 r180; Top Pin Number "B5" at 1589.52,1189.13 h5 r180; Top Pin Number "G1" at 1655.33,1267.87 h5 r180; Top Pin Number "D3" at 1621.01,1220.63 h5 r180; Top Pin Number "D2" at 1636.76,1220.63 h5 r180; Top Pin Number "F3" at 1622.18,1252.13 h5 r180; Top Pin Number "E3" at 1621.79,1236.38 h5 r180; Top Pin Number "F2" at 1637.93,1252.13 h5 r180; Top Pin Number "E2" at 1637.54,1236.38 h5 r180; Top Pin Number "G3" at 1620.61,1267.87 h5 r180; Top Pin Number "G2" at 1636.36,1267.87 h5 r180; Top Pin Number "A1" at 1654.93,1173.39 h5 r180
U303: Top Overlay "1" at 785.96,385.54 h30 r90; Bottom Pin Number "2" at 809.01,435.33 h10 r90; Bottom Pin Number "11" at 824.76,531.75 h10 r90; Bottom Pin Number "9" at 855.76,533.54 h10 r90; Bottom Pin Number "1" at 793.26,435.33 h10 r90; Bottom Pin Number "3" at 824.76,435.33 h10 r90; Bottom Pin Number "17" at 823.76,481.54 h10 r90; Bottom Pin Number "15" at 778.7,492.66 h10 r180; Bottom Pin Number "5" at 856.26,435.33 h10 r90; Bottom Pin Number "7" at 871.12,493.66 h10 r180; Bottom Pin Number "8" at 871.12,509.41 h10 r180; Bottom Pin Number "12" at 809.01,531.75 h10 r90; Bottom Pin Number "14" at 778.7,508.41 h10 r180; Bottom Pin Number "10" at 840.51,531.75 h10 r90; Bottom Pin Number "13" at 793.26,531.75 h10 r90; Bottom Pin Number "4" at 840.51,435.33 h10 r90; Bottom Pin Number "16" at 778.7,476.91 h10 r180; Bottom Pin Number "6" at 871.12,477.91 h10 r180; Top Assembly "1" at 789.26,401.93 h15 r90; Top Assembly "5" at 875.88,401.93 h15 r90; Top Assembly "9" at 875.88,567.28 h15 r90; Top Assembly "13" at 781.39,559.41 h15 r90
U304: Top Overlay "1" at 1543.44,635.78 h30; Top Assembly "1" at 1535.81,670.77 h15; Top Pin Number "4" at 1651.98,767.27 h10; Top Pin Number "3" at 1651.74,665.27 h10; Top Pin Number "2" at 1614.24,665.27 h10; Top Pin Number "1" at 1574.6,665.27 h10; Top Pin Number "5" at 1576.74,767.27 h10
U305: Board Layer Stack Bottom Overlay "6" at 892.39,1673.17 h20; Board Layer Stack Bottom Overlay "1" at 809.11,1672.17 h20; Board Layer Stack Bottom Overlay "G" at 778.63,1542.84 h20; Board Layer Stack Bottom Overlay "A" at 778.59,1641.84 h20; Top Assembly "6" at 886,1671.71 h15; Top Assembly "1" at 793.68,1671.71 h15; Top Assembly "G" at 769.32,1545.72 h15; Top Assembly "A" at 770.04,1648.08 h15; Top Pin Number "A1" at 799.43,1646.45 h5; Top Pin Number "G2" at 818,1551.98 h5; Top Pin Number "G3" at 833.75,1551.98 h5; Top Pin Number "E2" at 816.82,1583.47 h5; Top Pin Number "F2" at 816.43,1567.72 h5; Top Pin Number "E3" at 832.57,1583.47 h5; Top Pin Number "F3" at 832.18,1567.72 h5; Top Pin Number "D2" at 817.61,1599.21 h5; Top Pin Number "D3" at 833.36,1599.21 h5; Top Pin Number "G1" at 799.04,1551.98 h5; Top Pin Number "B5" at 864.85,1630.71 h5; Top Pin Number "B4" at 849.46,1630.71 h5; Top Pin Number "A4" at 850.24,1646.45 h5; Top Pin Number "B2" at 817.61,1630.71 h5; Top Pin Number "B3" at 833.36,1630.71 h5; Top Pin Number "B6" at 880.24,1630.71 h5; Top Pin Number "C3" at 834.15,1614.96 h5; Top Pin Number "C2" at 818.4,1614.96 h5; Top Pin Number "G5" at 865.24,1551.98 h5; Top Pin Number "G4" at 849.85,1551.98 h5; Top Pin Number "F5" at 863.67,1567.72 h5; Top Pin Number "F4" at 848.28,1567.72 h5; Top Pin Number "E5" at 864.06,1583.47 h5; Top Pin Number "E4" at 848.67,1583.47 h5; Top Pin Number "C4" at 850.24,1614.96 h5; Top Pin Number "C5" at 865.64,1614.96 h5; Top Pin Number "D4" at 849.46,1599.21 h5; Top Pin Number "D5" at 864.85,1599.21 h5; Top Pin Number "D1" at 798.65,1599.21 h5; Top Pin Number "C1" at 799.43,1614.96 h5; Top Pin Number "B1" at 798.65,1630.71 h5; Top Pin Number "F1" at 797.47,1567.72 h5; Top Pin Number "E1" at 797.86,1583.47 h5; Top Pin Number "A2" at 818.4,1646.45 h5; Top Pin Number "A6" at 881.03,1646.45 h5; Top Pin Number "A3" at 834.15,1646.45 h5; Top Pin Number "A5" at 865.64,1646.45 h5; Top Pin Number "G6" at 880.63,1551.98 h5; Top Pin Number "F6" at 879.06,1567.72 h5; Top Pin Number "E6" at 879.46,1583.47 h5; Top Pin Number "C6" at 881.03,1614.96 h5; Top Pin Number "D6" at 880.24,1599.21 h5
U306: Top Overlay "1" at 1471.19,636.35 h30 r180; Bottom Pin Number "2" at 1421.4,659.4 h10 r180; Bottom Pin Number "11" at 1324.98,675.15 h10 r180; Bottom Pin Number "9" at 1323.19,706.15 h10 r180; Bottom Pin Number "1" at 1421.4,643.65 h10 r180; Bottom Pin Number "3" at 1421.4,675.15 h10 r180; Bottom Pin Number "17" at 1375.19,674.15 h10 r180; Bottom Pin Number "15" at 1364.06,629.09 h10 r270; Bottom Pin Number "5" at 1421.4,706.65 h10 r180; Bottom Pin Number "7" at 1363.06,721.51 h10 r270; Bottom Pin Number "8" at 1347.31,721.51 h10 r270; Bottom Pin Number "12" at 1324.98,659.4 h10 r180; Bottom Pin Number "14" at 1348.31,629.09 h10 r270; Bottom Pin Number "10" at 1324.98,690.9 h10 r180; Bottom Pin Number "13" at 1324.98,643.65 h10 r180; Bottom Pin Number "4" at 1421.4,690.9 h10 r180; Bottom Pin Number "16" at 1379.81,629.09 h10 r270; Bottom Pin Number "6" at 1378.81,721.51 h10 r270; Top Assembly "1" at 1454.8,639.65 h15 r180; Top Assembly "5" at 1454.8,726.27 h15 r180; Top Assembly "9" at 1289.45,726.27 h15 r180; Top Assembly "13" at 1297.32,631.78 h15 r180
U307: Board Layer Stack Bottom Overlay "1" at 1044.02,409.03 h15; Board Layer Stack Bottom Overlay "C" at 989.59,434.03 h15; Board Layer Stack Bottom Overlay "A" at 1024.95,435.03 h15; Top Assembly "C" at 982.12,433.71 h10 r270; Top Assembly "A" at 1015.5,432.96 h10 r270; Top Assembly "1" at 1038.24,415.34 h10 r270; Top Pin Number "A1" at 1016.49,410.32 h5 r270; Top Pin Number "A2" at 1016.49,393.5 h5 r270; Top Pin Number "C2" at 984.99,393.5 h5 r270; Top Pin Number "C1" at 984.99,410.32 h5 r270; Top Pin Number "B1" at 1000.74,402.71 h5 r270
U308: Board Layer Stack Bottom Overlay "A" at 1167.52,952.98 h15 r180; Board Layer Stack Bottom Overlay "1" at 1146.69,924.41 h15 r180; Board Layer Stack Bottom Overlay "3" at 1106.3,923.75 h15 r180; Top Assembly "A" at 1173.23,953.48 h15 r180; Top Assembly "D" at 1174.95,1004.48 h15 r180; Top Assembly "1" at 1152.69,931.25 h15 r180; Top Assembly "3" at 1115.08,931.91 h15 r180; Top Pin Number "B1" at 1148.87,964.61 h5 r180; Top Pin Number "A1" at 1148.61,948.86 h5 r180; Top Pin Number "A2" at 1131.79,948.86 h5 r180; Top Pin Number "B2" at 1132.05,964.61 h5 r180; Top Pin Number "C2" at 1131.79,980.35 h5 r180; Top Pin Number "C1" at 1148.61,980.35 h5 r180; Top Pin Number "D3" at 1116.3,996.1 h5 r180; Top Pin Number "B3" at 1116.3,964.61 h5 r180; Top Pin Number "C3" at 1116.04,980.35 h5 r180; Top Pin Number "A3" at 1116.04,948.86 h5 r180; Top Pin Number "D2" at 1132.05,996.1 h5 r180; Top Pin Number "D1" at 1148.88,996.1 h5 r180
U309: Board Layer Stack Bottom Overlay "A" at 1628.48,1089.9 h15 r180; Board Layer Stack Bottom Overlay "C" at 1663.83,1090.89 h15 r180; Board Layer Stack Bottom Overlay "1" at 1609.41,1115.89 h15 r180; Top Assembly "1" at 1615.19,1109.59 h10 r90; Top Assembly "A" at 1637.93,1091.96 h10 r90; Top Assembly "C" at 1671.31,1091.21 h10 r90; Top Pin Number "B1" at 1652.69,1122.22 h5 r90; Top Pin Number "C1" at 1668.44,1114.61 h5 r90; Top Pin Number "C2" at 1668.44,1131.42 h5 r90; Top Pin Number "A2" at 1636.94,1131.42 h5 r90; Top Pin Number "A1" at 1636.94,1114.61 h5 r90
U310: Board Layer Stack Bottom Overlay "3" at 1106.3,883.42 h15 r90; Board Layer Stack Bottom Overlay "1" at 1106.97,843.03 h15 r90; Board Layer Stack Bottom Overlay "A" at 1135.53,822.2 h15 r90; Top Assembly "3" at 1114.46,874.64 h15 r90; Top Assembly "1" at 1113.8,837.02 h15 r90; Top Assembly "D" at 1187.03,814.77 h15 r90; Top Assembly "A" at 1136.03,816.49 h15 r90; Top Pin Number "D1" at 1178.65,840.84 h5 r90; Top Pin Number "D2" at 1178.65,857.66 h5 r90; Top Pin Number "A3" at 1131.42,873.67 h5 r90; Top Pin Number "C3" at 1162.9,873.67 h5 r90; Top Pin Number "B3" at 1147.17,873.41 h5 r90; Top Pin Number "D3" at 1178.65,873.41 h5 r90; Top Pin Number "C1" at 1162.9,841.1 h5 r90; Top Pin Number "C2" at 1162.9,857.92 h5 r90; Top Pin Number "B2" at 1147.17,857.66 h5 r90; Top Pin Number "A2" at 1131.42,857.92 h5 r90; Top Pin Number "A1" at 1131.42,841.1 h5 r90; Top Pin Number "B1" at 1147.16,840.84 h5 r90
U311: Top Overlay "1" at 1294.62,768.55 h30; Top Assembly "1" at 1286.99,803.55 h15; Top Pin Number "4" at 1403.15,900.05 h10; Top Pin Number "3" at 1402.91,798.05 h10; Top Pin Number "2" at 1365.41,798.05 h10; Top Pin Number "1" at 1325.77,798.05 h10; Top Pin Number "5" at 1327.91,900.05 h10
U312: Top Overlay "1" at 989.38,1206.54 h15 r180
U401: Top Overlay "1" at 3086.76,1241.62 h31 r270; Top Assembly "9" at 2881.66,1002.69 h25 r270; Top Assembly "8" at 2881.66,1246.21 h25 r270; Top Assembly "1" at 3047.26,1244.04 h25 r270; Top Assembly "16" at 3047.26,1020.09 h25 r270; Top Pin Number "4" at 2985.56,1238.36 h10 r270; Top Pin Number "13" at 2985.56,1000.7 h10 r270; Top Pin Number "7" at 2908.76,1238.36 h10 r270; Top Pin Number "8" at 2883.16,1238.36 h10 r270; Top Pin Number "14" at 3011.16,1000.7 h10 r270; Top Pin Number "16" at 3062.36,1000.7 h10 r270; Top Pin Number "1" at 3062.36,1238.36 h10 r270; Top Pin Number "6" at 2934.36,1238.36 h10 r270; Top Pin Number "5" at 2959.96,1238.36 h10 r270; Top Pin Number "3" at 3011.16,1238.36 h10 r270; Top Pin Number "10" at 2908.76,1000.7 h10 r270; Top Pin Number "9" at 2883.16,1000.86 h10 r270; Top Pin Number "12" at 2959.96,1000.7 h10 r270; Top Pin Number "2" at 3036.76,1238.36 h10 r270; Top Pin Number "11" at 2934.36,1000.7 h10 r270; Top Pin Number "15" at 3036.76,1000.7 h10 r270